# Altium PCB PCB.PcbDoc (continued)
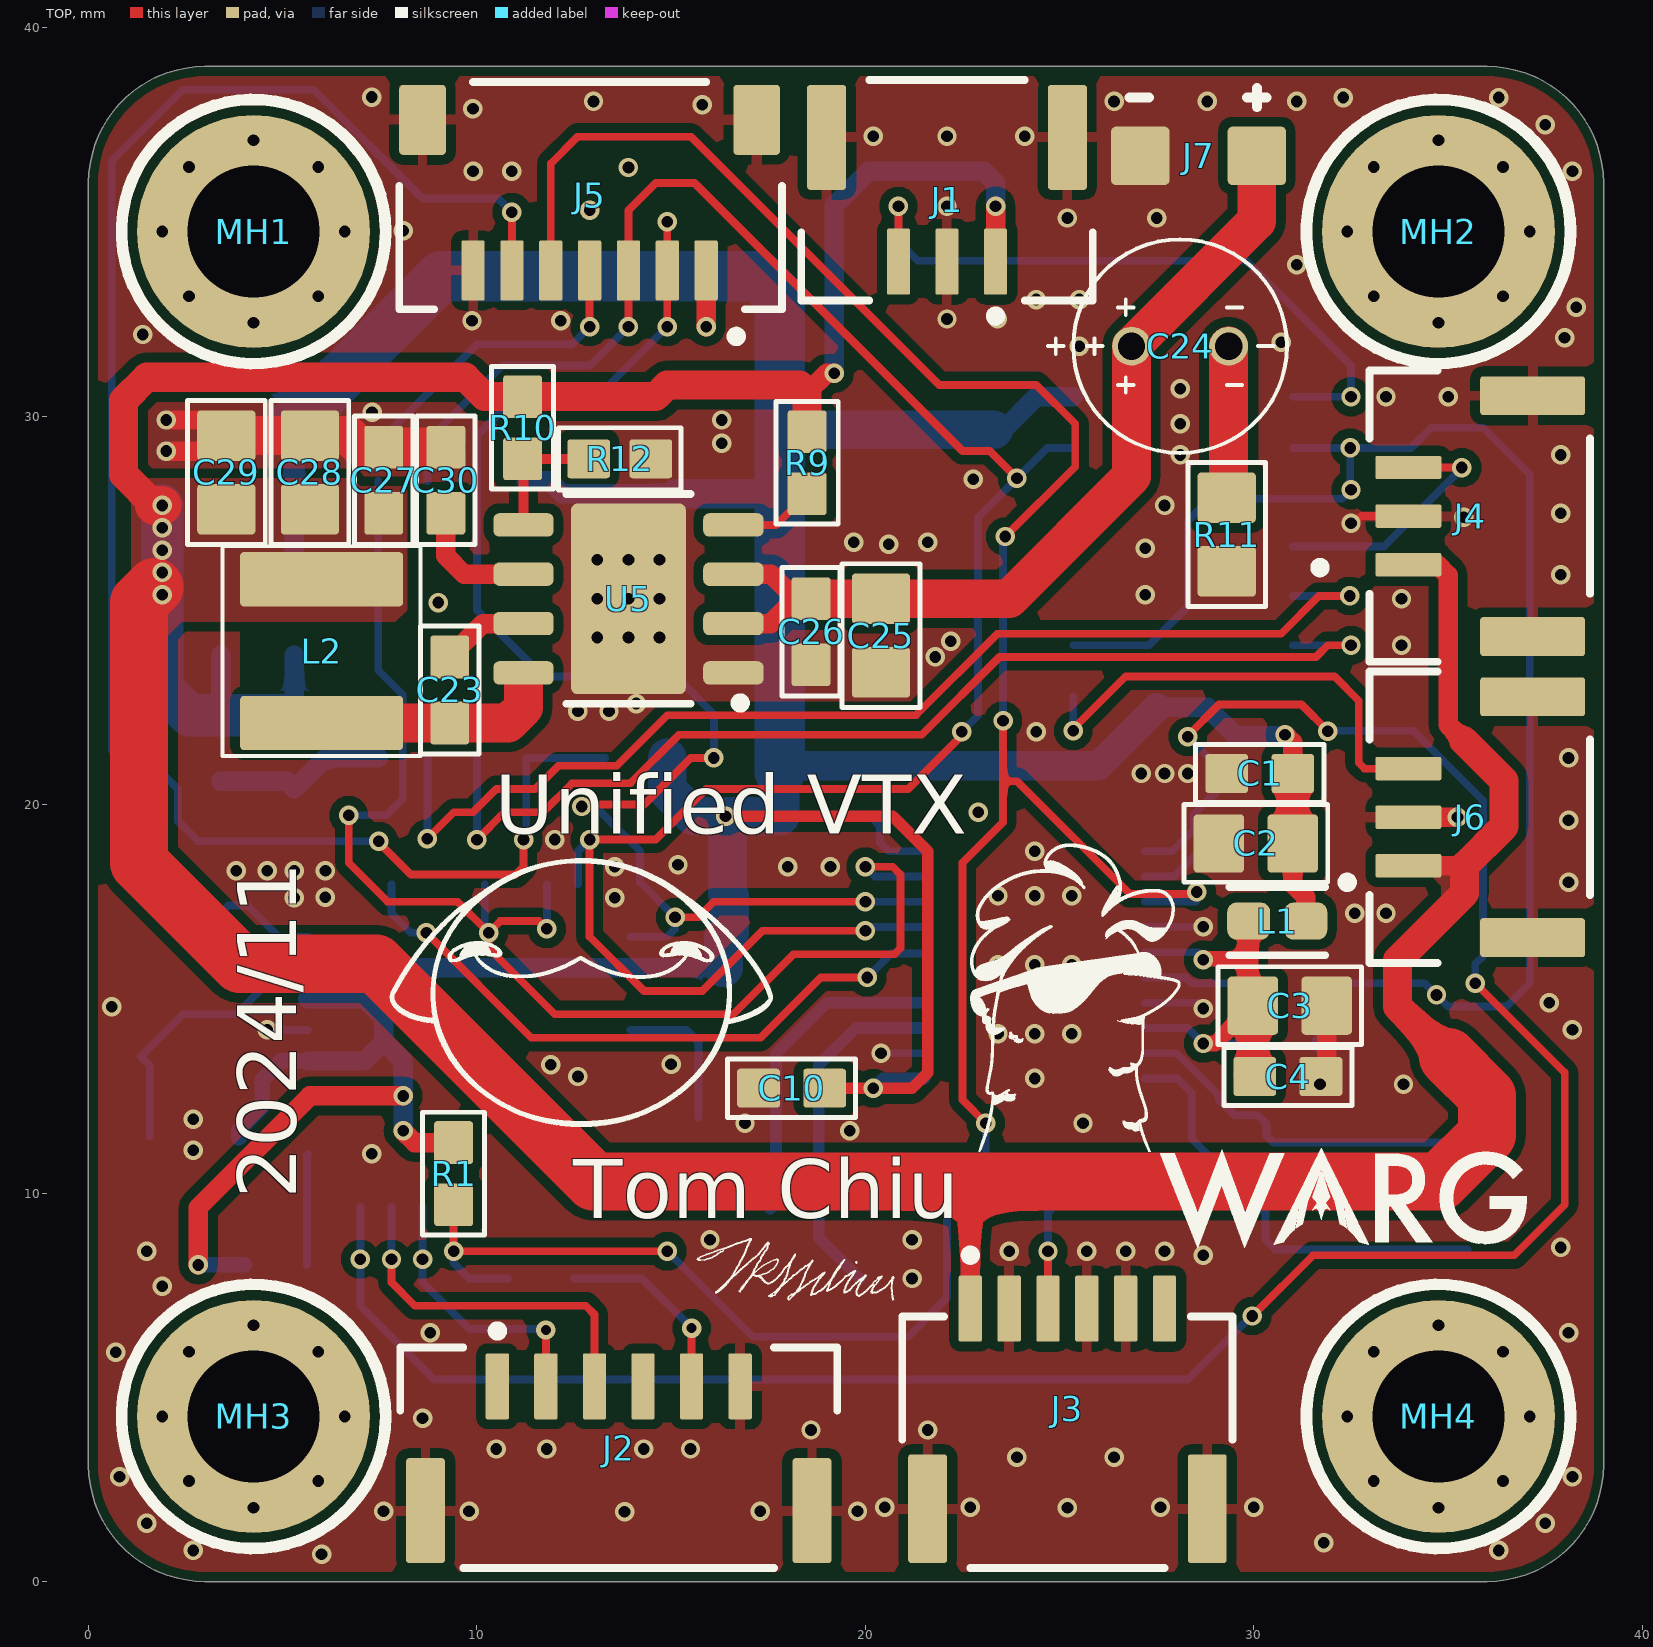
[diagram p0: TOP view]
## Design rules (kind name [scope] priority, off if disabled: settings) (continued)
Width [All] p2: maxlimit=0.2 minlimit=0.2 preferedwidth=0.2 minimp=50.000000 maximp=50.000000 favimp=50.000000
4 further rules are at their usual default settings.

## Classes and differential pairs
component class Power: C23 C24 C25 C26 C27 C28 C29 C30 C31 C32 C33 C34 L2 R9 R10 R11 R12 U5 U6
component class OSD: C1 C2 C3 C4 C5 C6 C7 C8 C9 C10 C11 C12 C13 C14 C15 C16 C17 L1 R1 R2 R3 R4 R5 R6 R7 U1 U2 Y1 Y2
component class IO_and_Connectors: J1 J2 J3 J4 J5 J6 J7 MH1 MH2 MH3 MH4
component class Camera_MUX: C18 C19 C20 C21 C22 R8 U3 U4

## Components (designator, comment, footprint, x,y, rotation, side; value= is the part's Value field where it differs from the comment)
C1 "CGA3E2X7R1H104K080AA" .CAP_0603-Footprint-1 30.15,20.8 r0 top value=100nF
C2 "GRM21BR61H106KE43L" .CAP_0805-Footprint-1 30.05,19 r0 top value=10uF
C3 "GRM21BR61H106KE43L" .CAP_0805-Footprint-1 30.925,14.825 r180 top value=10uF
C4 "CGA3E2X7R1H104K080AA" .CAP_0603-Footprint-1 30.875,13 r180 top value=100nF
C5 "CGA3E2X7R1H104K080AA" .CAP_0603-Footprint-1 11.65,7.8 r0 bottom value=100nF
C6 "CGA3E2X7R1H104K080AA" .CAP_0603-Footprint-1 17.2,15.8 r180 bottom value=100nF
C7 "CGA3E2X7R1H104K080AA" .CAP_0603-Footprint-1 3.875,10.575 r90 bottom value=100nF
C8 "GRM21BR61H106KE43L" .CAP_0805-Footprint-1 17.4,17.7 r180 bottom value=10uF
C9 "CGA3E2X7R1H104K080AA" .CAP_0603-Footprint-1 15.7,11.1 r90 bottom value=100nF
C10 "CGA3E2X7R1H104K080AA" .CAP_0603-Footprint-1 18.1,12.7 r0 top value=100nF
C11 "CGA3E2X7R1H104K080AA" .CAP_0603-Footprint-1 30.85,13.9 r180 bottom value=100nF
C12 "CGA3E2X7R1H104K080AA" .CAP_0603-Footprint-1 29.5,11.15 r270 bottom value=100nF
C13 "TMK325ABJ476MM-P" .CAP_1210-Footprint-1 32.1,9.925 r270 bottom value=47uF
C14 "TMK325ABJ476MM-P" .CAP_1210-Footprint-1 35.5,9.925 r270 bottom value=47uF
C15 "CGA3E2X7R1H104K080AA" .CAP_0603-Footprint-1 30.85,15.4 r180 bottom value=100nF
C16 "CC0603JRNPO9BN220" .CAP_0603-Footprint-1 1.575,10.6 r270 bottom value=22pF
C17 "CC0603JRNPO9BN220" .CAP_0603-Footprint-1 1.2,18.715 r90 bottom value=22pF
C18 "CGA3E2X7R1H104K080AA" .CAP_0603-Footprint-1 13.3,28.85 r270 bottom value=100nF
C19 "GRM21BR61H106KE43L" .CAP_0805-Footprint-1 15.1,28.95 r270 bottom value=10uF
C20 "CGA3E2X7R1H104K080AA" .CAP_0603-Footprint-1 23.3,30.5 r270 bottom value=100nF
C21 "GRM21BR61H106KE43L" .CAP_0805-Footprint-1 21.6,28.7 r90 bottom value=10uF
C22 "GRM21BR61H106KE43L" .CAP_0805-Footprint-1 19.675,28.7 r90 bottom value=10uF
C23 "CGA3E2X7R1H104K080AA" .CAP_0603-Footprint-1 9.3,22.95 r90 top value=100nF
C24 "475CKE100M" 475CKE100M-Footprint-1 28.1,31.8 r0 top
C25 "GRM21BC72A105KE01L" .CAP_0805-Footprint-1 20.4,24.35 r90 top value=1uF
C26 "CGA3E2X7R1H104K080AA" .CAP_0603-Footprint-1 18.6,24.45 r90 top value=100nF
C27 "CGA3E2X7R1H104K080AA" .CAP_0603-Footprint-1 7.6,28.35 r270 top value=100nF
C28 "GRM21BR61H106KE43L" .CAP_0805-Footprint-1 5.7,28.55 r270 top value=10uF
C29 "GRM21BR61H106KE43L" .CAP_0805-Footprint-1 3.55,28.55 r270 top value=10uF
C30 "GRT188R61H105KE13D" .CAP_0603-Footprint-1 9.2,28.35 r270 top
C31 "GRM21BR61H106KE43L" .CAP_0805-Footprint-1 5.3,21.35 r90 bottom value=10uF
C32 "CGA3E2X7R1H104K080AA" .CAP_0603-Footprint-1 3.4,21.45 r90 bottom value=100nF
C33 "CGA3E2X7R1H104K080AA" .CAP_0603-Footprint-1 4.45,27.925 r0 bottom value=100nF
C34 "GRM21BR61H106KE43L" .CAP_0805-Footprint-1 4.35,29.825 r0 bottom value=10uF
J1 "SM03B-GHS-TB" SM03B-GHS-TB 22.1,36.25 r180 top
J2 "SM06B-GHS-TB" SM06B-GHS-TB 13.65,2.75 r0 top
J3 "SM06B-NSHSS-TB" SM06B-NSHSS-TB 25.2,3.775 r180 top
J4 "SM03B-GHS-TB" SM03B-GHS-TB 36.25,27.425 r90 top
J5 "SM07B-SRSS-TB" SM07B-SRSS-TB 12.9,35.675 r0 top
J6 "SM03B-GHS-TB" SM03B-GHS-TB 36.25,19.675 r90 top
J7 "SOLDERPAD_2PIN_WIDER" SOLDERPAD_2PIN_WIDER 28.575,36.7 r270 top
L1 "BLM18SG121TZ1D" BLM18SG121TZ1D 30.6,17 r180 top
L2 "TYS5040220M-10" TYS5040220M-10-Footprint-1 6,23.95 r90 top
MH1 "M3HOLE-STANDARD" M3HOLE-STANDARD-Footprint-1 4.25,34.75 r0 top locked
MH2 "M3HOLE-STANDARD" M3HOLE-STANDARD-Footprint-1 34.75,34.75 r0 top locked
MH3 "M3HOLE-STANDARD" M3HOLE-STANDARD-Footprint-1 4.25,4.25 r0 top locked
MH4 "M3HOLE-STANDARD" M3HOLE-STANDARD-Footprint-1 34.75,4.25 r0 top locked
R1 "RC0603JR-1010KL" .RES_0603-Footprint-1 9.4,10.5 r90 top value=10K
R2 "RC0603FR-071KL" .RES_0603-Footprint-1 30.2,19 r0 bottom value=1k
R3 "RC0603FR-071KL" .RES_0603-Footprint-1 30.2,20.7 r0 bottom value=1k
R4 "RC0603FR-071KL" .RES_0603-Footprint-1 18.6,19.7 r180 bottom value=1k
R5 "RC0603FR-0775RL" .RES_0603-Footprint-1 26.475,9.7 r180 bottom
R6 "RC0603FR-070RL" .RES_0603-Footprint-1 4.825,8.15 r180 bottom value=0
R7 "RC0603FR-0775RL" .RES_0603-Footprint-1 33.5,14.6 r90 bottom
R8 "RC0603JR-1010KL" .RES_0603-Footprint-1 14.1,21.2 r0 bottom value=10K
R9 "RC0603FR-0710KL" .RES_0603-Footprint-1 18.5,28.8 r90 top value=10k
R10 "RC0603FR-07110KL" .RES_0603-Footprint-1 11.175,29.7 r90 top value=110K
R11 "RL1220S-R22-F" .RES_0805-Footprint-1 29.3,26.95 r90 top
R12 "AC0603FR-1310KL" .RES_0603-Footprint-1 13.675,28.9 r180 top
U1 "ATMEGA328P-AN" ATMEGA328P-AN 9.8,13.8 r0 bottom
U2 "MAX7456EUI" MAX7456EUI 24.362,15.875 r0 bottom
U3 "74LVC4066D118" 74LVC4066D118 28.175,26.64 r270 bottom
U4 "ATTINY85-20SUR" ATTINY85-20SUR 9.365,24.765 r90 bottom
U5 "LMR36510ADDAR" LMR36510ADDAR_8SOPWR 13.9,25.295 r180 top
U6 "NCP718ASN500T1G" NCP718ASN500T1G 4.305,25.075 r90 bottom
Y1 "ECS-270-12-33Q-JES-TR" ECS-270-12-33Q-JES-TR 18.7,8.7 r180 bottom
Y2 "ECS-160-16-33B-CKM-TR" ECS-160-16-33B-CKM-TR 2.3,14.665 r90 bottom

## Footprints (in the part's own frame and the unit in brackets; to place one, negate y for a bottom-side part, rotate by r counter-clockwise, add the part's x,y. Pads: shape width x height; smd on the part's side, far side on the other; paste and mask are expansions set on the pad)
74LVC4066D118 [mm]
  rrect10% 0.8x1.75 smd mask+0.1: 1(-3.86,-2.825) 7(3.86,-2.825) 8(3.86,2.825) 14(-3.86,2.825)
  rrect10% 0.7x1.75 smd mask+0.1: 2(-2.54,-2.825) 3(-1.27,-2.825) 4(0,-2.825) 5(1.27,-2.825) 6(2.54,-2.825) 9(2.54,2.825) 10(1.27,2.825) 11(0,2.825) 12(-1.27,2.825) 13(-2.54,2.825)
  silkscreen extent -4.48,-4.25 4.48,1.6, body extent -4.32,-3 4.33,3, height 1.55
475CKE100M-Footprint-1 [mm]
  round 1 hole 0.7: 1(-1.25,0) 2(1.25,0)
  silkscreen extent -3.4,-2.75 2.75,2.75
.CAP_0603-Footprint-1 [mm]
  rrect15% 1.1x1 smd: 1(-0.85,0) 2(0.85,0)
  silkscreen extent -1.65,-0.75 1.65,0.75, body extent -0.87,-0.45 0.87,0.5, height 0.87
.CAP_0805-Footprint-1 [mm]
  rrect15% 1.3x1.5 smd: 1(-0.95,0) 2(0.95,0)
  silkscreen extent -1.85,-1 1.85,1, body extent -1.1,-0.7 1.1,0.75, height 1.39
.CAP_1210-Footprint-1 [mm] "Chip Capacitor, 2-Leads, 1210 Generic"
  rrect15% 1.6x2.7 smd: 1(-1.375,0) 2(1.375,0)
  silkscreen extent -2.44,-1.63 2.44,1.63, body extent -1.75,-1.35 1.75,1.35, height 2.7
.RES_0603-Footprint-1 [mm]
  rrect15% 1.1x1 smd: 1(-0.8,0) 2(0.8,0)
  silkscreen extent -1.58,-0.8 1.58,0.8, body extent -0.8,-0.4 0.8,0.4, height 0.46
.RES_0805-Footprint-1 [mm]
  rrect15% 1.3x1.5 smd: 1(-0.95,0) 2(0.95,0)
  silkscreen extent -1.85,-1 1.85,1, body extent -1,-0.63 1,0.63, height 0.61
ATMEGA328P-AN [mm] "Thin QFP, 32-Leads, Body 7x7mm, Pitch 0.8mm, IPC High Density"
  oval 1.35x0.55 smd mask+0.024: 1(-4.15,2.8) 2(-4.15,2) 3(-4.15,1.2) 4(-4.15,0.4) 5(-4.15,-0.4) 6(-4.15,-1.2) 7(-4.15,-2) 8(-4.15,-2.8) 17(4.15,-2.8) 18(4.15,-2) 19(4.15,-1.2) 20(4.15,-0.4) 21(4.15,0.4) 22(4.15,1.2) 23(4.15,2) 24(4.15,2.8)
  oval 0.55x1.35 smd mask+0.024: 9(-2.8,-4.15) 10(-2,-4.15) 11(-1.2,-4.15) 12(-0.4,-4.15) 13(0.4,-4.15) 14(1.2,-4.15) 15(2,-4.15) 16(2.8,-4.15) 25(2.8,4.15) 26(2,4.15) 27(1.2,4.15) 28(0.4,4.15) 29(-0.4,4.15) 30(-1.2,4.15) 31(-2,4.15) 32(-2.8,4.15)
  silkscreen extent -4.95,-4.95 4.95,4.95, body extent -3.5,-3.5 3.5,3.5, height 1.2
ATTINY85-20SUR [mm]
  rrect10% 1.834x0.562 smd paste+0 mask+0.1: 1(-3.565,1.905) 2(-3.565,0.635) 3(-3.565,-0.635) 4(-3.565,-1.905) 5(3.565,-1.905) 6(3.565,-0.635) 7(3.565,0.635) 8(3.565,1.905)
  silkscreen extent -5.32,-2.92 4.78,2.92, body extent -4.02,-2.62 4.02,2.62, height 2.16
BLM18SG121TZ1D [mm]
  rrect50% 1.106x0.958 smd paste+0 mask+0.05: 1(-0.735,0) 2(0.735,0)
  silkscreen extent -1.23,-0.88 1.23,0.88, body extent -0.8,-0.4 0.8,0.4, height 0.75
ECS-160-16-33B-CKM-TR [mm]
  rrect15% 1.3x1.1 smd: 1(-1.15,-0.95) 2(1.15,-0.95) 3(1.15,0.95) 4(-1.15,0.95)
  silkscreen extent -2.79,-1.88 2.21,1.88, body extent -1.6,-1.25 1.6,1.25, height 0.8
ECS-270-12-33Q-JES-TR [mm]
  rrect15% 1.3x1.1 smd: 1(-1.15,-0.9) 2(1.15,-0.9) 3(1.15,0.9) 4(-1.15,0.9)
  silkscreen extent -2.79,-1.83 2.21,1.83, body extent -1.6,-1.25 1.6,1.25, height 0.8
LMR36510ADDAR_8SOPWR [mm] "8SOPWR TI"
  rrect50% 1.55x0.6 smd: 1(-2.7,1.905) 2(-2.7,0.635) 3(-2.7,-0.635) 4(-2.7,-1.905) 5(2.7,-1.905) 6(2.7,-0.635) 7(2.7,0.635) 8(2.7,1.905)
  rrect10% 2.95x4.9 smd: 9(0,0)
  silkscreen extent -3,-2.7 1.6,2.8, body extent -3,-2.45 3,2.45, height 1.7
M3HOLE-STANDARD-Footprint-1 [mm]
  round 6 hole 3.4 mask+0: 1(0,0)
  silkscreen extent -3.4,-3.4 3.4,3.4
MAX7456EUI [mm]
  rrect50% 1.533x0.381 smd paste+0 mask+0.025: 1(-2.838,4.225)
  rrect100% 1.533x0.381 smd paste+0 mask+0.025: 2(-2.838,3.575) 3(-2.838,2.925) 4(-2.838,2.275) 5(-2.838,1.625) 6(-2.838,0.975) 7(-2.838,0.325) 8(-2.838,-0.325) 9(-2.838,-0.975) 10(-2.838,-1.625) 11(-2.838,-2.275) 12(-2.838,-2.925) 13(-2.838,-3.575) 14(-2.838,-4.225) 15(2.838,-4.225) 16(2.838,-3.575) 17(2.838,-2.925) 18(2.838,-2.275) 19(2.838,-1.625) 20(2.838,-0.975) 21(2.838,-0.325) 22(2.838,0.325) 23(2.838,0.975) 24(2.838,1.625) 25(2.838,2.275) 26(2.838,2.925) 27(2.838,3.575) 28(2.838,4.225)
  rrect50% 3.1x6.9 smd paste-1000 mask+0.025: 29(0,0)
  silkscreen extent -4.38,-5.15 3.91,5.15, body extent -3.2,-4.85 3.2,4.85, height 1.1
NCP718ASN500T1G [mm]
  rrect15% 0.85x0.55 smd mask+0.05: 1(-1.225,0.995)
  rrect15% 0.85x0.56 smd mask+0.05: 2(-1.225,0.045) 3(-1.225,-0.905) 4(1.225,-0.905) 5(1.225,0.995)
  silkscreen extent -1.72,-1.7 1.29,1.88, body extent -1.39,-1.41 1.41,1.49, height 1.2
SM03B-GHS-TB [mm]
  rrect15% 0.6x1.7 smd paste+0 mask+0.05: 1(-1.25,2.275) 2(0,2.275) 3(1.25,2.275)
  rrect15% 1x2.7 smd paste+0 mask+0.05: 4(-3.1,-0.925) 5(3.1,-0.925)
  silkscreen extent -3.75,-2.4 3.75,3.8, body extent -3.7,-2.37 3.7,3.22, height 0.25
SM06B-GHS-TB [mm]
  rrect15% 0.6x1.7 smd paste+0 mask+0.05: 1(-3.125,2.275) 2(-1.875,2.275) 3(-0.625,2.275) 4(0.625,2.275) 5(1.875,2.275) 6(3.125,2.275)
  rrect15% 1x2.7 smd paste+0 mask+0.05: 7(-4.975,-0.925) 8(4.975,-0.925)
  silkscreen extent -5.63,-2.4 5.63,3.82, body extent -5.58,-2.37 5.58,3.22, height 0.25
SM06B-NSHSS-TB [mm]
  rrect15% 0.6x1.7 smd paste+0 mask+0.05: 1(2.5,-3.25) 2(1.5,-3.25) 3(0.5,-3.25) 4(-0.5,-3.25) 5(-1.5,-3.25) 6(-2.5,-3.25)
  rrect15% 1x2.8 smd paste+0 mask+0.05: 7(-3.6,1.9) 8(3.6,1.9)
  silkscreen extent -4.25,-4.75 4.25,3.42, body extent -4.2,-4.2 4.2,3.4, height 0.25
SM07B-SRSS-TB [mm]
  rrect15% 0.6x1.55 smd paste+0 mask+0.05: 1(3,-1.925) 2(2,-1.925) 3(1,-1.925) 4(0,-1.925) 5(-1,-1.925) 6(-2,-1.925) 7(-3,-1.925)
  rrect15% 1.2x1.8 smd paste+0 mask+0.05: 8(-4.3,1.95) 9(4.3,1.95)
  silkscreen extent -4.9,-3.75 4.95,2.93, body extent -4.5,-2.3 4.5,2.65, height 2.95
SOLDERPAD_2PIN_WIDER [mm]
  rrect15% 1.5x1.5 smd: 1(0,1.5) 2(0,-1.5)
TYS5040220M-10-Footprint-1 [mm]
  rrect15% 1.4x4.2 smd: 1(-1.85,0) 2(1.85,0)
  silkscreen extent -2.7,-2.55 2.7,2.55, body extent -2.5,-2.5 2.5,2.5, height 4.16

## Part data
C1 C4 C5 C6 C7 C9 C10 C11 C12 C15 C18 C20 C23 C26 C27 C32 C33: library part CMP-00227-5, "CAP CER 0.1UF 50V X7R 0603", Temperature Coefficient=X7R, Voltage Rating=50V
C2 C3 C8 C19 C21 C22 C31 C34: library part CMP-001-00065-3, "CAP CER 10UF 50V X5R 0805", Temperature Coefficient=X5R, Voltage Rating=50V
C13 C14: library part CMP-00305-1, "CAP CER 47UF 25V X5R 1210", Case/Package=1210, Operating Temperature Range="-55°C ~ 85°C", Temperature Coefficient=X5R, Tolerance (fill in as +-)=20%, Voltage Rating=25V
C16 C17: library part CMP-00246-3, "CAP CER 22PF 50V C0G/NPO 0603", Package=0603, Temperature Coefficient=C0G,NP0, Tolerance=5%, Voltage=50V
C24: library part CMP-00301-1, "CAP ALUM 4.7UF 20% 100V RADIAL", Capacitance=4.7uF, Voltage=100V, Height=11mm
C25: library part CMP-00124-3, "CAP CER 1UF 100V X7S 0805", Package=0805, Temperature Coefficient=X7S, Tolerance=10%, Voltage=100V
C28 C29: library part CMP-001-00027-3, "CAP CER 10uF 50V X5R 0805", Case/Package=0805, Temperature Coefficient=X5R, Voltage Rating=50V
C30: library part CMP-00096-4, "CAP CER 1UF 50V X5R 0603", Capacitance=1uF, Dielectric=X5R, Package=0603, Voltage=50V
J1 J4 J6: library part CMP-00259-7, "CONN HEADER SMD R/A 3POS 1.25MM", Current Rating=1A, Operating Temperature="-25°C ~ 85°C", Voltage Rating=50V, Pitch=1.25mm, Positions=3, Rows=1, Series=JST-GH, Shrouding="Shrouded - 4 Wall"
J2: library part CMP-00248-4, "CONN HEADER SMD R/A 6POS 1.25MM", Current Rating=1A, Voltage=50V, Entry Type=R/A, Pitch=1.25mm, Positions=6, Rows=1, Series=JST-GH
J3: library part CMP-002-00020-3, "CONN HEADER SMD R/A 6POS 1MM", Current Rating=1A, Operating Temperature="-25°C ~ 85°C", Voltage Rating=50V, Pitch=1.25mm, Positions=6, Rows=1, Series=JST-GH, Shrouding="Shrouded - 4 Wall"
J5: library part CMP-002-00023-1, "CONN HEADER SMD R/A 7POS 1MM", Current Rating=1A, Operating Temperature="-25°C ~ 85°C", Voltage Rating=50V, Pitch=1.25mm, Positions=7, Rows=1, Series=JST-SH/SR, Shrouding="Shrouded - 4 Wall"
J7: library part CMP-129-000007-1, "Solder Pad 2 Pins, 3mm pitch, 1.5mm pad size"
L1: library part CMP-00303-1, "FERRITE BEAD 120 OHM 0603 1LN", Case/Package=0603, Current Rating=3A, DC Resistance (DCR)=25mR, Inductor Type="FERRITE BEAD", Operating Temperature Range="-55°C ~ 125°C", Tolerance=25%, Impedance @ 100MHz=120R, Max Current Rating=3A, Number of Lines=1
L2: library part CMP-00298-2, "FIXED IND 22UH 1.5A 129 MOHM SMD", Inductance=22uH, DCR=129mΩ, Saturation=1.5A
MH1 MH2 MH3 MH4: library part CMP-00005-4, "Standard M3 Mounting hole as defined by mech team, see confluence for reasonning", Hole Diam=3.4, Plating Diam=6
R1 R8: library part CMP-009-00039-1, "RES 10K OHM 5% 1/10W 0603"
R2 R3 R4: library part CMP-009-00012-4, "RES 1k OHM 1% 1/10W 0603", Package=0603, Power=1/10W, Tolerance=1%
R5 R7: library part CMP-009-00098-2, "RES 75 OHM 1% 1/10W 0603", Operating Temperature Range="-55°C ~ 155°C", Package=0603, Power=100mW, Resistance=75R, Temperature Coefficient=100ppm/°C, Tolerance=1%, Mounting Technology="Surface Mount"
R6: library part CMP-00139-2, "RES 0 OHM JUMPER 1/10W 0603"
R9: library part CMP-009-00006-5, "RES 10K OHM 1% 1/10W 0603", Package=0603, Power=1/10W, Resistance=10k, Tolerance=1%
R10: library part CMP-00270-1, "RES 110K OHM 1% 1/10W 0603", Case/Package=0603, Power=100mW, Temperature Coefficient=100ppm/°C, Tolerance=1%
R11: library part CMP-00300-1, "RES 0.22 OHM 1% 1/3W 0805", Package=0805, Power=1/3W, Resistance=220m, Tolerance=1%
R12: library part CMP-009-00054-3, "RES 10K OHM 1% 1/10W 0603", Package=0603, Power=100mW, Resistance=10k, Tolerance=1%
U1: library part CMP-00283-3, "IC MCU 8BIT 32KB FLASH 32TQFP", Case/Package=TQFP, Clock Frequency=20MHz, Max Operating Temperature=105°C, Operating Temperature Range="-40°C ~ 105°C", Supply Voltage Range="4.5V ~ 5.5V", Number of I/O Lines=23, Pins=32, Surface Mount=Yes
U2: library part CMP-00284-5, "IC OSD VIDEO GEN 28TSSOP", Operating Temperature Range="-40°C ~ 85°C", Package Equivalence Code=TSSOP28,.25, Supply Voltage Range="4.75V ~ 5.25V", Character Array Size="12 X 18", Pins=28, Surface Mount=Yes
U3: library part CMP-00288-2, "IC SWITCH SPST-NO X 4 10OHM 14SO", Operating Temperature Range="-40°C ~ 125°C", Supply Voltage Range="1.65V ~ 5.5V", Multiplexer/Demultiplexer Circuit=1:1, Number of Circuits=4, Pins=14, Throw Configuration=SPST
U4: library part CMP-00289-1, "IC MCU 8BIT 8KB FLASH 8SOIC", Case/Package=8-SOIC, Clock Frequency=20MHz, Max Supply Current=8mA, Operating Temperature Range="-40°C ~ 85°C", Supply Voltage Range="4.5V ~ 5.5V", Number of I/O Lines=6, Pins=8, Technology=CMOS
U5: library part CMP-00297-1, "IC REG BUCK ADJ 1A 8SOPWR"
U6: library part CMP-002-000012-2, "IC REG LINEAR 5V 300MA TSOT23-5", Case/Package=SOT-23-5, Dropout Voltage1-Max=0.49V, Maximum Output Current=800mA, Operating Temperature Range="-40°C ~ 125°C", Output Voltage=5V, Supply Voltage Range="-0.3 - 24V", Pins=5
Y1: library part CMP-00286-5, "CRYSTAL 27.0000MHZ 12PF SMD", Equivalent Series Resistance=40Ω, Frequency=27MHz, Frequency Stability=0.005%, Frequency Tolerance=20ppm, Load Capacitance=12pF, Operating Temperature Range="-40°C ~ 125°C", Manufacturing Part Number=ECS-270-12-33Q-JES-TR, Mounting Technology="Surface Mount"
Y2: library part CMP-00396-3, "CRYSTAL 16.0000MHZ 16PF SMD", Equivalent Series Resistance=60Ω, Frequency=16MHz, Frequency Stability=±10ppm, Load Capacitance=12pF, Manufacturing Part Number=ECS-160-9-33B-CWN-TR, Operating Temperature Range="-20°C ~ 70°C", Frequency Tolerance=±10ppm, Mounting Technology="Surface Mount"

## Via types
v1: diameter 0.5, hole 0.3, TOP to BOTTOM, tented both sides, 260 vias
v2: diameter 0.5, hole 0.25, TOP to BOTTOM, tented both sides, 2 vias

## Nets (pads, with @x,y where several pads share a name; then routed paths per layer and width w, separated by ;. In a path a pad name is that pad's centre, name@x,y a point inside that pad or via, vN(x,y) a via of type N, cw(c..) or ccw(c..) an arc to the next point about the centre after c; other vN are vias at no path point)
16M_IN_OUT: C16.1 U1.7 Y2.1 | length 7.4
  BOTTOM w0.2: C16.1 1.575,13.29 Y2.1 2.435,14.6 3.8,14.6 5,15.8 U1.7
16M_OUT_IN: C17.1 U1.8 Y2.3 | length 6.5
  BOTTOM w0.2: C17.1 2.015,17.05 3.25,17.05 ; Y2.3 3.25,17.05 ; U1.8 4.9,16.6 4.1,17.4 3.6,17.4 3.25,17.05
25M_IN_OUT: U2.5 Y1.1 | length 9.1
  BOTTOM w0.3: Y1.1 18.8,8.85 18.8,13.3 19.75,14.25 U2.5
25M_OUT_IN: U2.6 Y1.3 | length 8.4
  BOTTOM w0.3: Y1.3 17.7,9.75 17.7,13.6 19,14.9 U2.6
AREF: C9.2 U1.20 | length 3.8
  BOTTOM w0.203: U1.20 15.4,14.2 15.7,13.9 C9.2
BOOT: C23.2 U5.7 | length 2.3
  TOP w0.5: C23.2 10.16,24.66 U5.7
CAM1_VID: J1.3 U3.1 | length 17.6
  TOP w0.2: J1.3 v1(20.85,35.4)
  BOTTOM w0.2: v1(20.85,35.4) 20.85,34.5 21.35,34 29.8,34 32.5,31.3 v1(32.5,30.5) U3.1
CAM1_VID_EN/MISO: J5.3 U1.16 U2.9 U3.13 U4.6 | length 57
  TOP w0.2: v1(13.9,32.3) J5.3 13.9,35.3 14.6,36 15.6,36 22.5,29.1 23.2,29.1 v1(23.9,28.4) ; v1(20,16.75) 17.35,16.75 15.8,15.2 14.3,15.2 12.9,16.6 v1(12.9,19.1) 14.6,19.1 15.9,20.4 21.1,20.4 22.5,21.8 22.476,21.824 v1(22.476,21.875)
  BOTTOM w0.2: U4.6 8.73,29.38 10.65,31.3 12.9,31.3 v1(13.9,32.3) ; U1.16 12.6,18.8 v1(12.9,19.1) ; v1@20.181,16.85 U2.9 ; v1(22.476,21.875) 22.9,22.299 22.9,26.3 22.9,27.4 v1(23.9,28.4)
  BOTTOM w0.203: v1(23.9,28.4) 24.68,29.18 U3.13
CAM2_VID: J4.3 U3.4 | length 6.6
  TOP w0.2: J4.3 v1(35.35,28.675)
  BOTTOM w0.2: U3.4 33.34,26.64 35.35,28.65 v1(35.35,28.675)
CAM2_VID_EN: U3.5 U4.3 | length 29.9
  TOP w0.2: v1@8.7,19.116 v1(8.718,19.116) 9.402,19.8 9.9,19.8 10.5,20.4 11.5,20.4 12.1,21 13.6,21 14.9,22.3 21.3,22.3 23.4,24.4 30.7,24.4 31.67,25.37 v1(32.47,25.37)
  BOTTOM w0.2: v1(8.718,19.116) 8.73,19.116 U4.3 ; U3.5 v1(32.47,25.37)
CAM3_VID: J6.3 U3.8 | length 12
  TOP w0.2: v1(25.35,21.9) 25.35,21.95 26.7,23.3 32.075,23.3 32.7,22.675 32.7,21.075 32.85,20.925 J6.3
  BOTTOM w0.2: v1(25.35,21.9) U3.8
CAM3_VID_EN: U3.6 U4.2 | length 28.2
  TOP w0.2: v1(10,19.099) 10.701,19.8 11.7,19.8 12.45,20.55 13.95,20.55 15.2,21.8 21.451,21.8 23.451,23.8 31.6,23.8 31.9,24.1 v1(32.5,24.1)
  BOTTOM w0.2: v1(10,19.099) U4.2 ; U3.6 v1(32.5,24.1)
CAM_SEL_PWM/MOSI: J5.4 U1.13 U1.15 U2.11 U4.5 | length 45.7
  TOP w0.2: v1@6.763,19.663 v1(6.7,19.726) 6.7,18.5 7.7,17.5 9.5,17.5 v1(10.3,16.7) ; v1@11.7,16.7 v1(11.8,16.8) 11.6,17 10.6,17 v1(10.3,16.7) ; v1(12.9,32.3) J5.4 ; v1(20,18.4) 20.7,18.4 20.9,18.2 20.9,16.3 20.75,16.15 18.15,16.15 16.6,14.6 12,14.6 10.3,16.3 v1(10.3,16.7)
  BOTTOM w0.2: v1(6.7,19.726) 7.663,19.726 8.091,20.155 8.091,22.829 7.46,23.46 U4.5 ; U4.5@7.46,28.631 7.46,29.31 10,31.85 11.912,31.85 12.45,31.85 v1(12.9,32.3) ; U1.13 10.2,16.8 v1(10.3,16.7) ; v1(20,18.4) 20.25,18.15 U2.11
  BOTTOM w0.203: v1(11.8,16.8) U1.15
FB_1V0: R10.1 R12.2 U5.5 | length 3.4
  TOP w0.254: U5.5 11.2,28.875 R10.1 R12.2
GND: C1.1 C2.1 C3.1 C4.1 C6.1 C7.1 C8.1 C9.1 C10.1 C11.1 C16.2 C17.2 C18.1 C19.1 C20.1 C21.1 C22.1 C25.1 C26.1 C27.1 C28.1 C29.1 C30.1 C31.1 C32.1 C33.1 C34.1 J1.2 J1.4 J1.5 J2.6 J2.7 J2.8 J3.2 J3.4 J3.5 J3.7 J3.8 J4.2 J4.4 J4.5 J5.7 J5.8 J5.9 J6.2 J6.4 J6.5 J7.2 R7.1 R11.1 R12.1 U1.3 U1.5 U1.21 U2.4 U2.20 U2.23 U2.29 U3.7 U4.4 U5.1 U5.9 U6.2 Y1.2 Y1.4 Y2.2 Y2.4 | length 26.7
  TOP w0.2: v1(32.5,27.24) 32.581,27.24 32.766,27.425 J4.2
  TOP w0.3: C10.1@17,12.7 C10.1
  TOP w0.4: J2.8@18.625,1.825 18.625,0.975 J2.8@18.8,0.8 ; J3.8@21.3,0.8 21.6,1.1 J3.8 ; J3.7@28.8,0.9 J3.7 ; v1(31.7,12.8) 31.725,12.825 C4.1
  TOP w0.5: v1(2,29.1) 3.15,29.1 C29.1 ; v1(2,29.9) C29.1@2.8,29.9 ; C4.1 31.875,13.15 C3.1 ; J6.2 35.237,19.675 v1(35.239,19.677)
  TOP w1: C29.1 C28.1 6.7,29.5 7,29.2 C27.1 C30.1
  BOTTOM w0.2: v1(4.6,14.2) U1.5 ; v1(20.4,13.6) U2.4 ; U2.23 28.55,14.9 v1(28.7,14.75) ; U2.20 27.203,16.853 28.696,16.853 v1(28.698,16.856)
  BOTTOM w0.4: C11.1 31.7,13.8 C11.1@31.9,13.8
  BOTTOM w0.5: C32.1 5.1,20.6 C31.1 6.05,21.15 6.2,21.15 6.25,21.2 U4.4
  other v1: 6,0.7 2.7,0.8 36.3,0.8 31.8,1 1.5,1.5 37.5,1.5 7.597,1.812 9.797,1.812 13.8,1.8 17.297,1.812 19.797,1.812 20.497,1.912 22.697,1.912 25.2,1.9 27.597,1.912 29.997,1.912 0.8,2.7 38.2,2.7 23.9,3.2 26.4,3.2 10.497,3.412 11.797,3.412 14.297,3.412 15.497,3.412 18.6,3.9 21.6,3.9 8.6,4.2 0.7,5.9 8.8,6.4 38.1,6.4 1.9,7.6 21.2,7.8 28.7,8.4 1.5,8.5 23.7,8.5 25.7,8.5 26.7,8.5 27.7,8.5 37.9,8.6 16,8.8 21.2,8.8 7.297,11.012 2.7,11.1 19.6,11.6 16.9,11.8 25.6,11.8 2.7,11.9 33.85,12.8 24.362,12.95 12.6,13 11.9,13.3 14.997,13.312 23.412,14.1 24.362,14.1 25.312,14.1 38.2,14.2 0.6,14.8 37.6,14.9 23.412,15.875 24.362,15.875 25.312,15.875 32.6,17.2 33.4,17.2 5.3,17.6 6.097,17.612 13.55,17.6 23.412,17.65 24.362,17.65 25.312,17.65 38.1,18 3.8,18.3 4.6,18.3 5.3,18.3 6.1,18.3 13.55,18.4 18,18.4 19.1,18.4 15.175,18.45 24.362,18.8 12,19.1 38.1,19.6 22.9,19.8 27.1,20.8 27.7,20.8 28.3,20.8 38.1,21.2 24.4,21.875 12.6,22.4 13.4,22.4 14.1,22.6 21.8,23.8 33.8,24.1 22.2,24.2 13.1,24.3 13.9,24.3 14.7,24.3 9,25.2 13.1,25.3 13.9,25.295 14.7,25.3 33.8,25.3 27.2,25.4 37.897,25.912 13.1,26.3 13.9,26.3 14.7,26.3 27.2,26.6 20.6,26.7 19.7,26.75 21.6,26.75 35.4,27.4 37.9,27.5 27.7,27.7 22.775,28.375 28.1,29 37.9,29 16.3,29.3 28.1,29.8 16.3,29.9 7.3,30.1 33.4,30.5 35,30.5 28.1,30.7 25.5,31.8 30.7,31.9 37.997,32.012 1.4,32.1 9.874,32.45 12.16,32.45 22.1,32.5 23.4,32.5 38.3,32.8 24.4,33 25.5,33 31.1,33.9 8.1,34.775 25.2,35.1 27.5,35.1 12.9,35.3 22.1,35.4 9.9,36.3 10.9,36.3 38.2,36.3 13.9,36.4 20.2,37.2 22.1,37.2 24.1,37.2 37.5,37.5 9.897,37.912 15.797,38.012 13,38.1 26.4,38.1 28.8,38.1 31.1,38.1 7.297,38.212 32.3,38.2 36.3,38.2
HSYNC: R2.1 U2.18 | length 2.6
  BOTTOM w0.2: U2.18 27.95,18.15 28.8,19 R2.1
LOS: R4.1 U2.12 | length 2.7
  BOTTOM w0.2: R4.1 20.125,19.7 20.375,19.45 20.375,19.025 20.384,19.016 20.385,19.016 20.601,18.8 21.025,18.8 U2.12
MUX_VID_OUT: C15.1 R7.2 U3.2 U3.3 U3.9 | length 37
  BOTTOM w0.2: U3.9 27.3,24.1 28.3,25.1 28.3,27.3 28.87,27.87 32.27,27.87 v1(32.5,28.1) 32.48,28.12 v1(32.48,29.18) ; U3.2 v1(32.48,29.18) ; C15.1 R7.2 34.4,15.4 v1(34.7,15.1) 35,14.8 36.5,14.8 37.1,15.4 37.1,28.5 35.9,29.7 34.565,29.7 34.045,29.18 v1(32.48,29.18)
OSD_SAG: C12.1 C13.1 C14.1 U2.25 | length 9.5
  BOTTOM w0.2: U2.25 28.017,13.6 29.102,12.515 29.102,12.398 C12.1 30.1,12 30.325,11.775 30.325,11.475 30.5,11.3 C13.1 C14.1
OSD_VID_FB: C12.2 C13.2 C14.2 R5.1 U2.26 | length 13.7
  BOTTOM w0.2: U2.26 28.026,12.95 28.4,12.576 28.4,11.4 C12.2 ; R5.1 28.9,9.7 C12.2 ; C14.2@35.475,8.45 C14.2@35.5,8.475 ; C14.2 C13.2 30.55,8.55 30.3,8.8 30.3,9.5 C12.2
OSD_VID_OUT: J3.3 R5.2 | length 3.5
  TOP w0.2: J3.3 v1(24.7,8.5)
  BOTTOM w0.2: v1(24.7,8.5) 24.7,9.5 24.9,9.7 R5.2
OSD_VIN: C15.2 U2.22 | length 2.9
  BOTTOM w0.2: U2.22 28.25,15.55 28.4,15.4 C15.2
PAL: R6.1 U1.1 | length 2.9
  BOTTOM w0.2: R6.1 5.625,10.975 U1.1
PG: R9.1 U5.4 | length 2.2
  TOP w0.2: U5.4 17.7,27.2 R9.1
PWR_5V0: C1.2 C2.2 C6.2 C7.2 C8.2 C10.2 C18.2 C19.2 C20.2 C21.2 C22.2 C33.2 C34.2 J5.1 L1.1 R1.2 R2.2 R3.2 R4.2 R6.2 R8.2 U1.4 U1.6 U1.18 U2.3 U3.14 U4.8 U6.5 | length 123.2
  TOP w0.3: v1(16.4,19.7) 20.7,19.7 21.6,18.8 21.6,13.1 21.2,12.7 v1(20.2,12.7) ; C10.2 v1(20.2,12.7)
  TOP w0.5: v1(2.825,8.15) 2.825,9.625 5.7,12.5 v1(8.1,12.5) ; v1(8.1,11.6) 8.4,11.3 R1.2 ; v1(15.9,32.3) J5.1 ; v1(30.8,21.8) 31,21.6 C1.2 ; C2.2 31,17.951 31.335,17.616 L1.1
  TOP w0.75: C2.2 C1.2
  BOTTOM w0.3: v1(20.2,12.7) 20.45,12.95 U2.3
  BOTTOM w0.4: v1(2.825,8.15) R6.2 ; C7.2 3.875,11.625 4.475,12.225 4.475,12.925 4.95,13.4 U1.4
  BOTTOM w0.5: U6.5 C33.2 C34.2 ; U1.4 7.1,13.4 7.6,13.9 ; U1.6 7.1,15 ; v1(8.1,11.6) v1(8.1,12.5) 8.1,13.4 7.6,13.9 ; U4.8 11.869,28.331 12.2,28 C18.2 C19.2 ; C6.2 7.9,15.8 7.1,15 ; C20.2 23.55,29.65 24.4,30.5 U3.14 ; 27.5,22.5 28.8,22.5 29.525,21.775 30.775,21.775 v1(30.8,21.8) 31,21.6 R3.2 R2.2 ; 7.1,15 7.6,14.5 7.6,13.9
  BOTTOM w0.75: C19.2 17.8,28 ; 17.95,21 26,21 27.5,22.5
  BOTTOM w1: R8.2 14.9,20.375 15.575,19.7 R4.2 17.8,20.85 17.95,21 ; C6.2 16.35,16.55 16.5,16.7 C8.2@16.5,17.65 ; C8.2 v1@16.45,19.65 ; 17.8,29.763 17.913,29.65 C22.2 C21.2 C20.2
  BOTTOM w1.3: C34.2 9.075,33.6 17.25,33.6 17.8,33.05 17.8,29.763 17.8,28 17.8,22.9 17.8,20.85
PWR_12V0: C27.2 C28.2 C29.2 C31.2 C32.2 J1.1 J3.1 J4.1 J6.1 L2.2 R9.2 R10.2 U6.1 U6.3 | length 114.7
  TOP w0.5: 18.5,30.6 19,31.1 v1(19.2,31.1) ; J3.1 22.7,10.3 ; J1.1 v1(23.35,35.4) ; J6.1 35.425,18.425 ; J4.1 34.725,26.175 35,25.9 35,22.05 35.397,21.653
  TOP w0.75: v1@1.7,27.7 0.9,28.5 0.9,30.4 1.5,31 9.7,31 10.2,30.5 R10.2 14.6,30.5 14.9,30.8 18.3,30.8 18.5,30.6 R9.2 ; 35,13.5 33.7,14.8 33.7,16 35.425,17.725 35.425,18.425 36.438,19.438 36.438,20.613 35.397,21.653
  TOP w1: v1@1.7,27.7 v1(1.9,27.7)
  TOP w1.5: 1.7,25.6 1.3,25.2 1.3,18.5 3.9,15.9 7.4,15.9 13,10.3 22.7,10.3 34.8,10.3 36,11.5 36,12.5 35,13.5
  BOTTOM w0.5: C32.2 U6.3 ; C31.2 U6.1 ; v1(19.2,31.1) 19.2,35.425 20.075,36.3 23.05,36.3 23.35,36 v1(23.35,35.4)
  BOTTOM w1.1: v1(1.9,27.7) v1(1.9,27.125) v1(1.9,26.55) v1(1.9,25.975) v1(1.9,25.4) 1.9,23 2.6,22.3 C32.2 C31.2
PWR_A5V0: C3.2 C4.2 C11.2 L1.2 U2.21 U2.24 | length 11.5
  TOP w0.4: v1(28.7,13.85) 29,13.85 C3.2 ; v1(28.7,16.002) 28.733,16.035 29.865,16.035
  TOP w0.5: L1.2 29.865,16.035 29.865,14.935 C3.2
  TOP w0.75: C4.2@29.975,13.05 C3.2
  TOP w1: C4.2@29.975,13.05 C4.2
  BOTTOM w0.2: U2.24 28.3,14.25 v1(28.7,13.85) 29.95,13.85 C11.2 ; U2.21 28.575,16.2 28.7,16.075 v1(28.7,16.002)
PXHK_DTR: C5.2 J2.5 | length 5.1
  TOP w0.2: J2.5 v2(15.525,6.525)
  BOTTOM w0.2: C5.2 14.25,7.8 v2(15.525,6.525)
PXHK_RXI: J2.2 U1.30 | length 7.1
  TOP w0.2: J2.2 v2(11.775,6.475)
  BOTTOM w0.2: U1.30 v1(8.6,8.3) 8.6,7.7 9.8,6.5 11.75,6.5 v2(11.775,6.475)
PXHK_TXO: J2.3 U1.31 | length 9.4
  TOP w0.2: v1(7.8,8.3) 7.8,7.7 8.4,7.1 12.8,7.1 13.025,6.875 J2.3
  BOTTOM w0.2: v1(7.8,8.3) U1.31
RESET: C5.1 J5.5 R1.1 U1.29 U2.19 | length 70
  TOP w0.2: R1.1 v1(9.4,8.5) v1(14.9,8.5) ; J5.5 11.9,36.5 12.588,37.188 15.512,37.188 21.9,30.8 24.4,30.8 25.4,29.8 25.4,28.7 v1(23.6,26.9) ; v1(23.1,11.8) 22.5,12.4 22.5,18.5 23.543,19.543 23.543,20.6 ; v1(23.543,22.157) 23.543,20.6 ; v1(28.525,17.75) 28.475,17.7 26.8,17.7 23.9,20.6 23.543,20.6
  BOTTOM w0.2: U1.29 v1(9.4,8.5) 9.4,8.2 9.8,7.8 C5.1 ; v1(14.9,8.5) 17.1,6.3 21.1,6.3 22.1,7.3 22.1,9.7 23.1,10.7 v1(23.1,11.8) ; v1(23.543,22.157) 23.543,26.843 v1(23.6,26.9) ; U2.19 28.5,17.5 28.525,17.525 v1(28.525,17.75)
RESET_ATTINY: J5.6 R8.1 U4.1 | length 46.4
  TOP w0.2: v1(7.475,19.054) 7.475,19.025 8.3,18.2 11,18.2 11.2,18.4 v1(11.2,19.1) ; J5.6 10.9,35.2 v1(10.9,35.25)
  BOTTOM w0.2: v1(7.475,19.054) 2.823,19.054 2.3,19.576 2.3,20.4 2,20.7 1.3,20.7 0.6,21.4 0.6,36.575 2.425,38.4 5.8,38.4 8.6,35.6 10.55,35.6 v1(10.9,35.25) ; v1(11.2,19.1) 11.27,19.17 U4.1 R8.1
SCK: J5.2 U1.17 U2.10 U4.7 | length 37.7
  TOP w0.2: v1(12.7,19.95) 12.75,20 14.3,20 15.5,21.2 v1(16.1,21.2) ; v1(14.9,32.3) v1(14.9,35) ; v1(15.1,17.1) 15.7,17.1 16.1,17.5 v1(20,17.5)
  BOTTOM w0.2: v1(12.7,19.95) 12.75,20 13,20 14.2,18.8 14.2,18 v1(15.1,17.1) 15.1,16.8 14.9,16.6 U1.17 ; v1(14.9,32.3) 13.3,30.7 11.2,30.7 10,29.5 U4.7 10,25 11.7,23.3 15.125,23.3 16.1,22.325 v1(16.1,21.2) ; v1(20,17.5) U2.10
SSDSD-IN: U1.10 U2.8 | length 16.7
  TOP w0.2: v1(8.7,16.7) 11.4,14 17.3,14 18.85,15.55 v1(20.049,15.55)
  BOTTOM w0.2: U1.10 7.8,17.2 8,17 8.3,16.7 v1(8.7,16.7) ; v1(20.049,15.55) 20.665,16.165 21.489,16.165 U2.8
SW_400KHZ: C23.1 L2.1 U5.8 | length 5.9
  TOP w1: L2.1 C23.1 10.8,22.1 11.2,22.5 11.2,23
VBATT: C24.1 C25.2 C26.2 J7.1 U5.2 U5.3 | length 23.3
  TOP w0.5: U5.2 17.56,24.66 C26.2@18.2,25.3 ; U5.3 17.57,25.93 C26.2@18.2,25.3 ; C26.2 C26.2@18.2,25.3
  TOP w1: C26.2 C25.2 22.4,25.3 23.7,25.3 26.85,28.45 C24.1 30.075,35.025 J7.1
VBATT_LP: C24.2 R11.2 | length 3.9
  TOP w1: R11.2 29.35,27.95 C24.2
VCC: C30.2 U5.6 | length 3.3
  TOP w0.5: C30.2 9.2,26.4 9.67,25.93 U5.6
VSYNC: R3.1 U1.32 U2.17 | length 61.4
  TOP w0.2: v1(28.301,21.75) 28.301,21.772 28.3,21.773 28.3,21.775 29.1,22.575 31.225,22.575 31.902,21.898 v1(31.902,21.884) ; v1(29.959,6.835) 31.524,8.4 36.7,8.4 38,9.7 38,13.1 v1(35.7,15.4)
  BOTTOM w0.2: U1.32 v1(7,8.3) 7,7.1 8.9,5.2 28.3,5.2 29.9,6.8 29.924,6.8 v1(29.959,6.835) ; U2.17 27.9,18.8 28.461,19.361 28.461,19.761 R3.1 29.351,20.7 v1(28.301,21.75) ; v1(31.902,21.884) 31.902,21.9 34.1,21.9 35.9,20.1 35.9,16.1 35.7,15.9 v1(35.7,15.4)
pads on no net: J2.1 J2.4 J3.6 MH1.1 MH2.1 MH3.1 MH4.1 U1.2 U1.9 U1.11 U1.12 U1.14 U1.19 U1.22 U1.23 U1.24 U1.25 U1.26 U1.27 U1.28 U2.1 U2.2 U2.7 U2.13 U2.14 U2.15 U2.16 U2.27 U2.28 U3.10 U3.11 U3.12 U6.4
copper on no net:
  other v1: 4.25,1.9 34.75,1.9 2.588,2.588 5.912,2.588 33.088,2.588 36.412,2.588 1.9,4.25 6.6,4.25 32.4,4.25 37.1,4.25 2.588,5.912 5.912,5.912 33.088,5.912 36.412,5.912 4.25,6.6 34.75,6.6 4.25,32.4 34.75,32.4 2.588,33.088 5.912,33.088 33.088,33.088 36.412,33.088 1.9,34.75 6.6,34.75 32.4,34.75 37.1,34.75 2.588,36.412 5.912,36.412 33.088,36.412 36.412,36.412 4.25,37.1 34.75,37.1

## Polygon pours and split planes (outlines as drawn)
GND on TOP "GND_L01_P028" (solid, pour order 28): 0,39 39,39 39,0 0,0
PWR_12V0 on TOP "PWR_12V0_L01_P029" (solid, pour order 29): 34.575,18.15 34.825,17.9 34.825,17.425 35.225,17.825 35.225,18.125 34.925,18.425 34.7,18.425 34.575,18.3
PWR_12V0 on TOP "PWR_12V0_L01_P001" (solid, pour order 1): 2.588,24.888 1.563,23.863 1.563,24.888
PWR_12V0 on TOP "PWR_12V0_L01_P006" (solid, pour order 6): 6.8,28.4 7,28.2 8.1,28.2 8.2,28.1 8.2,25 7.9,24.7 1.9,24.7 1.1,25.5 1.1,28 1.5,28.4
GND on BOTTOM "GND_L04_P026" (solid, pour order 26): 0,39 39,39 39,0 0,0
PWR_5V0 on BOTTOM "PWR_5V0_L04_P024" (solid, pour order 24): 15,33.1 15.4,32.7 15.4,32.079 16.079,31.4 16.8,31.4 17.2,31 17.3,31.1 17.3,32.9 17.1,33.1
PWR_5V0 on BOTTOM "PWR_5V0_L04_P027" (solid, pour order 27): 18.925,20.975 18.925,21.275 18.848,21.352 18.673,21.352 18.25,21.775 18.128,21.775 16.311,19.958 16.32,19.95 18.35,19.959 18.35,20.4
PWR_5V0 on BOTTOM "PWR_5V0_L04_P025" (solid, pour order 25): 16.2,18.675 16.7,18.675 17.375,19.35 15.525,19.35
GND on GND1 "GND_L02_P012" (solid, pour order 12): 0,39 39,39 39,0 0,0
GND on GND2 "GND_L03_P013" (solid, pour order 13): 0,39 39,39 39,0 0,0

## Other copper
TOP:
  pour cut-out: 3.9,24.5 8.1,24.5 8.1,23 3.9,23
BOTTOM:
  pour cut-out: 29.018,27.513 28.657,27.152 28.657,25.1 28.63,25.073 28.63,24.925 27.448,23.743 26.389,23.743 26.325,23.679 26.325,22.425 26.524,22.425 27.049,22.951 28.975,22.951 28.995,22.971 29.691,22.275 30,22.275 30,27.324 29.811,27.513

## Silkscreen, mask and mechanical layers (free items; w line width, h text height)
Top Overlay:
  drawing of 15 lines, arcs and shapes, not listed
  text "Unified VTX" at 10.454,19.254 h1.52
  text "2024/11" at 5.346,9.854 h1.52 r90
  text "Tom Chiu" at 12.485,9.354 h1.52
M1 Board Outline:
  the board outline again, w0.254
M2 PCB FAB Notes:
  drawing of 295 lines, arcs and shapes, not listed
  text "Layer" at 2.007,107.502 h1.52
  text "Name" at 12.419,107.502 h1.52
  text "Material" at 36.034,107.502 h1.52
  text "Thickness" at 57.872,107.502 h1.52
  text "Constant" at 74.378,107.502 h1.52
  text "Board Layer Stack" at 88.852,107.502 h1.52
  text "Top Overlay" at 12.419,104.454 h1.52
  text "Top Solder" at 12.419,101.406 h1.52
  text "Solder Resist" at 36.034,101.406 h1.52
  text "0.40mil" at 57.872,101.406 h1.52
  text "3.5" at 74.378,101.406 h1.52
  text "1" at 2.007,98.358 h1.52
  text "TOP" at 12.419,98.358 h1.52
  text "1.40mil" at 57.872,98.358 h1.52
  text "Dielectric 2" at 12.419,95.31 h1.52
  text "PP-006" at 36.034,95.31 h1.52
  text "8.00mil" at 57.872,95.31 h1.52
  text "4.1" at 74.378,95.31 h1.52
  text "2" at 2.007,92.262 h1.52
  text "GND1" at 12.419,92.262 h1.52
  text "CF-004" at 36.034,92.262 h1.52
  text "1.40mil" at 57.872,92.262 h1.52
  text "Dielectric 1" at 12.419,89.214 h1.52
  text "FR-4" at 36.034,89.214 h1.52
  text "8.00mil" at 57.872,89.214 h1.52
  text "4.8" at 74.378,89.214 h1.52
  text "3" at 2.007,86.166 h1.52
  text "GND2" at 12.419,86.166 h1.52
  text "CF-004" at 36.034,86.166 h1.52
  text "1.40mil" at 57.872,86.166 h1.52
  text "Dielectric 3" at 12.419,83.118 h1.52
  text "PP-006" at 36.034,83.118 h1.52
  text "8.00mil" at 57.872,83.118 h1.52
  text "4.1" at 74.378,83.118 h1.52
  text "4" at 2.007,80.07 h1.52
  text "BOTTOM" at 12.419,80.07 h1.52
  text "1.40mil" at 57.872,80.07 h1.52
  text "Bottom Solder" at 12.419,77.022 h1.52
  text "Solder Resist" at 36.034,77.022 h1.52
  text "0.40mil" at 57.872,77.022 h1.52
  text "3.5" at 74.378,77.022 h1.52
  text "Bottom Overlay" at 12.419,73.974 h1.52
Drill Drawing:
  circle w0.254: c2.751,61.201 r0.847
  lines w0.254: 1.905,56.967 2.328,56.967 2.751,56.544 3.175,56.967 3.598,56.967 3.175,57.391 3.598,57.814 3.175,57.814 2.751,58.237 2.328,57.814 1.905,57.814 2.328,57.391 1.905,56.967 ; 1.905,64.164 3.598,64.164 3.598,65.857 1.905,65.857 1.905,64.164 ; 1.905,69.667 3.598,69.667 2.751,67.974 1.905,69.667
  lines w0.381: 0.386,55.401 265.59,55.401 ; 0.386,70.641 265.59,70.641 ; 14.378,51.591 14.378,74.451 ; 29.614,51.591 29.614,74.451 ; 58.816,51.591 58.816,74.451 ; 71.665,51.591 71.665,74.451 ; 90.303,51.591 90.303,74.451 ; 120.521,51.591 120.521,74.451 ; 135.503,51.591 135.503,74.451 ; 154.446,51.591 154.446,74.451 ; 175.014,51.591 175.014,74.451 ; 196.7,51.591 196.7,74.451 ; 230.574,51.591 230.574,74.451 ; 0.386,51.591 265.59,51.591 265.59,74.451 0.386,74.451 0.386,51.591
  text "Symbol" at 2.672,71.784 h1.83
  text "Count" at 15.521,71.784 h1.83
  text "Hole Size" at 30.757,71.784 h1.83
  text "Plated" at 59.959,71.784 h1.83
  text "Hole Type" at 72.808,71.784 h1.83
  text "Drill Layer Pair" at 91.446,71.784 h1.83
  text "Via/Pad" at 121.664,71.784 h1.83
  text "Pad Shape" at 136.646,71.784 h1.83
  text "Template" at 155.589,71.784 h1.83
  text "Description" at 176.157,71.784 h1.83
  text "Hole Tolerance (+)" at 197.843,71.784 h1.83
  text "Hole Tolerance (-)" at 231.717,71.784 h1.83
  text "2" at 15.521,67.974 h1.52
  text "0.250mm (9.84mil)" at 30.757,67.974 h1.52
  text "PTH" at 59.959,67.974 h1.52
  text "Round" at 72.808,67.974 h1.52
  text "TOP - BOTTOM" at 91.446,67.974 h1.52
  text "Via" at 121.664,67.974 h1.52
  text "Rounded" at 136.646,67.974 h1.52
  text "v50h25" at 155.589,67.974 h1.52
  text "2" at 15.521,64.164 h1.52
  text "0.700mm (27.56mil)" at 30.757,64.164 h1.52
  text "PTH" at 59.959,64.164 h1.52
  text "Round" at 72.808,64.164 h1.52
  text "TOP - BOTTOM" at 91.446,64.164 h1.52
  text "Pad" at 121.664,64.164 h1.52
  text "Rounded" at 136.646,64.164 h1.52
  text "c100h70" at 155.589,64.164 h1.52
  text "4" at 15.521,60.354 h1.52
  text "3.400mm (133.86mil)" at 30.757,60.354 h1.52
  text "PTH" at 59.959,60.354 h1.52
  text "Round" at 72.808,60.354 h1.52
  text "TOP - BOTTOM" at 91.446,60.354 h1.52
  text "Pad" at 121.664,60.354 h1.52
  text "Rounded" at 136.646,60.354 h1.52
  text "c600h340m600" at 155.589,60.354 h1.52
  text "260" at 15.521,56.544 h1.52
  text "0.300mm (11.81mil)" at 30.757,56.544 h1.52
  text "PTH" at 59.959,56.544 h1.52
  text "Round" at 72.808,56.544 h1.52
  text "TOP - BOTTOM" at 91.446,56.544 h1.52
  text "Via" at 121.664,56.544 h1.52
  text "Rounded" at 136.646,56.544 h1.52
  text "(Mixed)" at 155.589,56.544 h1.52
  text "268 Total" at 15.521,52.734 h1.52